# Altium PCB IntelligentCarFor51PcbDoc.PcbDoc (part 7 of 14)
Units mil, origin at the board's own origin, x right, y up, seen from the top; angles counter-clockwise.
Board outline 2298.05 x 2090.03 mil, 2 copper layers (Top Layer, Bottom Layer); 55 components, 66 nets, 258 pads, 143 vias.
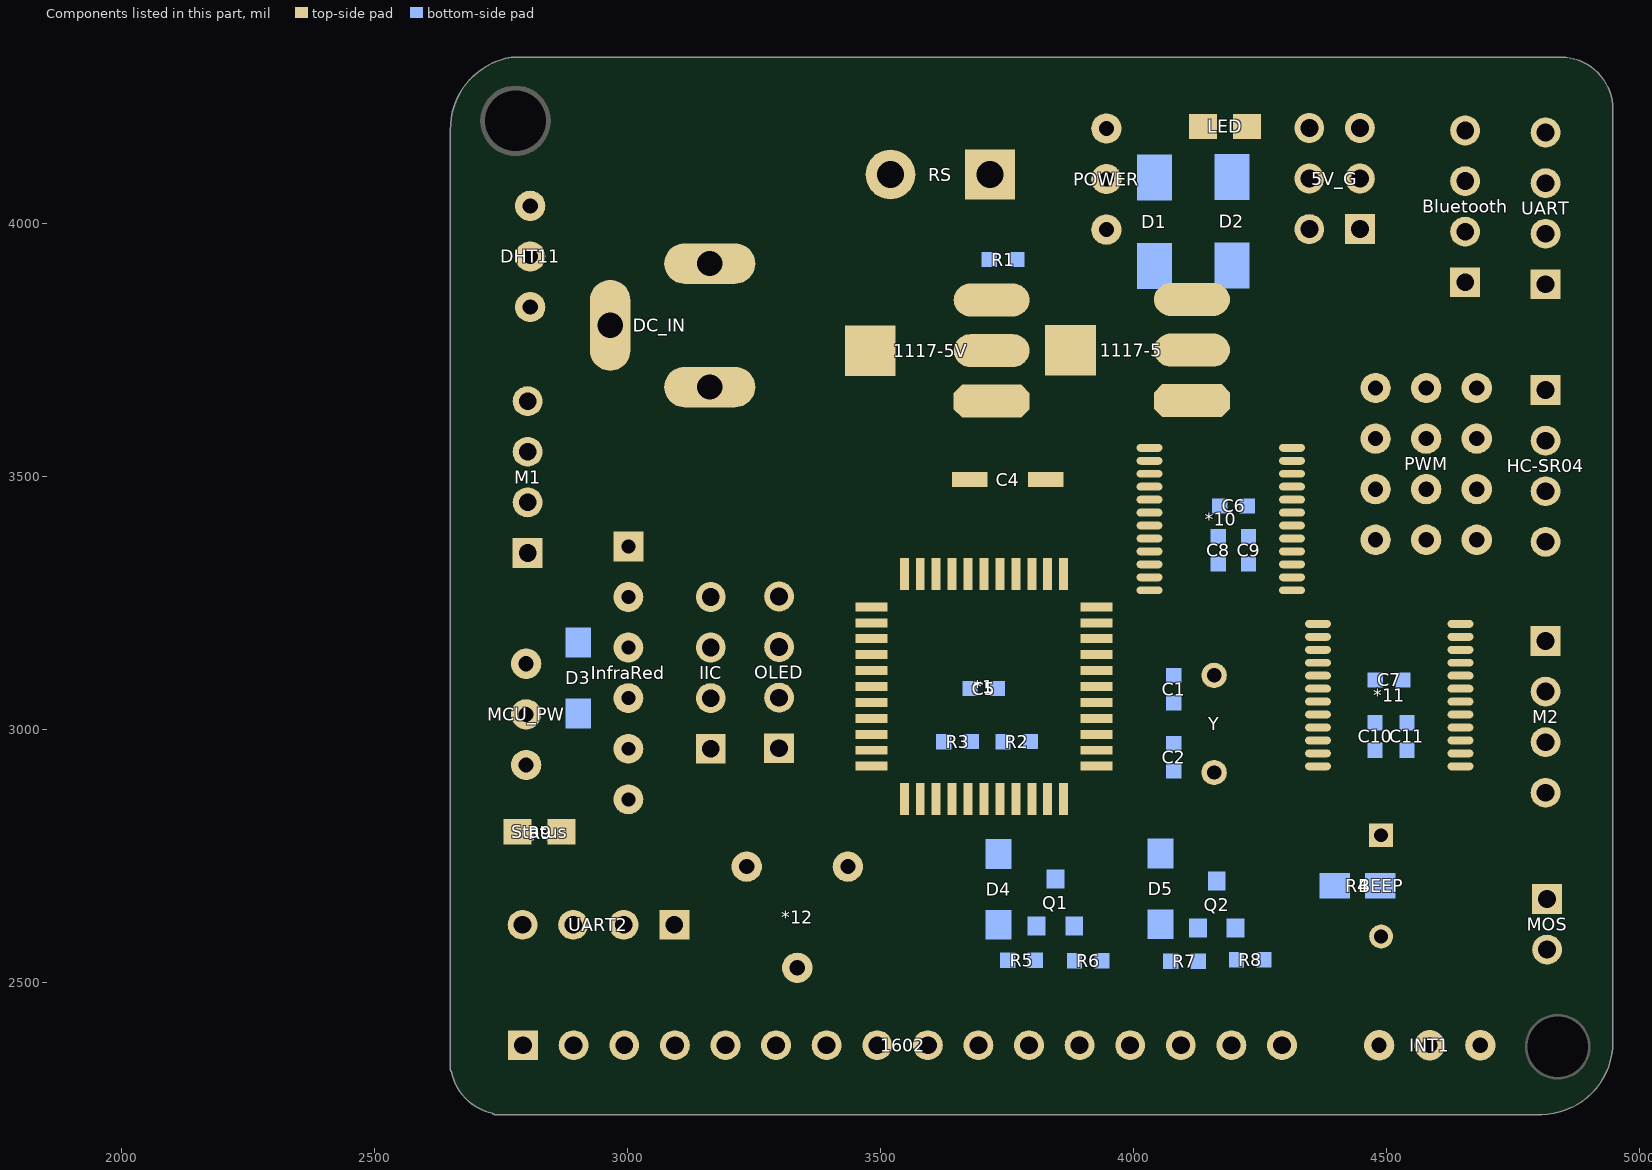
[diagram p7: the components of this part, seen from the top]

## Via types
v1: diameter 12, hole 8, Top Layer to Bottom Layer, 53 vias
v2: diameter 10, hole 7, Top Layer to Bottom Layer, 20 vias
v3: diameter 20, hole 12, Top Layer to Bottom Layer, 15 vias
v4: diameter 35, hole 25, Top Layer to Bottom Layer, 13 vias
v5: diameter 15, hole 10, Top Layer to Bottom Layer, 10 vias
v6: diameter 18, hole 12, Top Layer to Bottom Layer, 10 vias
v7: diameter 50, hole 35, Top Layer to Bottom Layer, 7 vias
v8: diameter 30, hole 20, Top Layer to Bottom Layer, 5 vias
v9: diameter 12, hole 7, Top Layer to Bottom Layer, 3 vias
v10: diameter 25, hole 18, Top Layer to Bottom Layer, 2 vias
v11: diameter 40, hole 30, Top Layer to Bottom Layer, 2 vias
v12: diameter 8, hole 7, Top Layer to Bottom Layer, 1 vias
v13: diameter 30, hole 22, Top Layer to Bottom Layer, 1 vias
v14: diameter 24, hole 18, Top Layer to Bottom Layer, 1 vias

## Nets (pads, with @x,y where several pads share a name; then routed paths per layer and width w, separated by ;. In a path a pad name is that pad's centre, name@x,y a point inside that pad or via, vN(x,y) a via of type N, cw(c..) or ccw(c..) an arc to the next point about the centre after c; other vN are vias at no path point) (continued)
copper on no net: (continued)
  Top Layer w0.3: 2332.1,3715.3 2342.3,3715.3 ; 2332.1,3739.3 2338.1,3739.3 ; 2332.4,3714.4 2342.3,3714.4 ; 2332.4,3714.7 2342.3,3714.7 ; 2332.7,3661 2333.9,3661 ; 2332.7,3661.3 2333.9,3661.3 ; 2332.7,3661.6 2333.9,3661.6 ; 2332.7,3661.9 2333.9,3661.9 ; 2332.7,3662.2 2333.9,3662.2 ; 2332.7,3662.5 2333.9,3662.5 ; 2332.7,3662.8 2333.9,3662.8 ; 2332.7,3663.1 2333.9,3663.1 ; 2332.7,3663.4 2333.9,3663.4 ; 2332.7,3663.7 2333.9,3663.7 ; 2332.7,3714.1 2342.3,3714.1 ; 2333,3658.3 2334.5,3658.3 ; 2333,3658.6 2334.2,3658.6 ; 2333,3658.9 2334.2,3658.9 ; 2333,3659.2 2334.2,3659.2 ; 2333,3659.5 2334.2,3659.5 ; 2333,3659.8 2334.2,3659.8 ; 2333,3660.1 2334.2,3660.1 ; 2333,3660.4 2333.9,3660.4 ; 2333,3660.7 2333.9,3660.7 ; 2333,3664 2333.9,3664 ; 2333,3664.3 2333.9,3664.3 ; 2333,3664.6 2333.9,3664.6 ; 2333,3664.9 2334.2,3664.9 ; 2333,3665.2 2334.2,3665.2 ; 2333,3665.5 2334.2,3665.5 ; 2333,3665.8 2334.2,3665.8 ; 2333,3666.1 2334.2,3666.1 ; 2333,3666.4 2334.2,3666.4 ; 2333,3666.7 2334.2,3666.7 ; 2333,3691 2363.3,3691 ; 2333,3713.5 2342.3,3713.5 ; 2333,3713.8 2342.3,3713.8 ; 2333.3,3657.1 2334.8,3657.1 ; 2333.3,3657.4 2334.8,3657.4 ; 2333.3,3657.7 2334.5,3657.7 ; 2333.3,3658 2334.5,3658 ; 2333.3,3667 2334.5,3667 ; 2333.3,3667.3 2334.5,3667.3 ; 2333.3,3667.6 2334.5,3667.6 ; 2333.3,3667.9 2334.5,3667.9 ; 2333.3,3668.2 2334.5,3668.2 ; 2333.3,3668.5 2334.8,3668.5 ; 2333.3,3712.9 2342.3,3712.9 ; 2333.3,3713.2 2342.3,3713.2 ; 2333.3,3739 2338.1,3739 ; 2333.6,3656.2 2335.1,3656.2 ; 2333.6,3656.5 2335.1,3656.5 ; 2333.6,3656.8 2334.8,3656.8 ; 2333.6,3668.8 2334.8,3668.8 ; 2333.6,3669.1 2334.8,3669.1 ; 2333.6,3669.4 2334.8,3669.4 ; 2333.6,3669.7 2335.1,3669.7 ; 2333.6,3670 2335.1,3670 ; 2333.6,3712.6 2342.3,3712.6 ; 2333.9,3655.6 2335.7,3655.6 ; 2333.9,3655.9 2335.4,3655.9 ; 2333.9,3670.3 2335.1,3670.3 ; 2333.9,3670.6 2335.4,3670.6 ; 2333.9,3670.9 2335.4,3670.9 ; 2333.9,3712 2342.3,3712 ; 2333.9,3712.3 2342.3,3712.3 ; 2334.2,3655 2339.3,3655 ; 2334.2,3655.3 2336.3,3655.3 ; 2334.2,3671.2 2335.4,3671.2 ; 2334.2,3671.5 2335.7,3671.5 ; 2334.2,3671.8 2335.7,3671.8 ; 2334.2,3698.8 2343.5,3698.8 ; 2334.2,3711.4 2342.3,3711.4 ; 2334.2,3711.7 2342.3,3711.7 ; 2334.2,3726.1 2342.6,3726.1 ; 2334.5,3654.7 2339,3654.7 ; 2334.5,3672.1 2336,3672.1 ; 2334.5,3672.4 2336.3,3672.4 ; 2334.5,3672.7 2336.3,3672.7 ; 2334.5,3709.9 2342.9,3709.9 ; 2334.5,3710.2 2342.6,3710.2 ; 2334.5,3710.5 2342.6,3710.5 ; 2334.5,3710.8 2342.6,3710.8 ; 2334.5,3711.1 2342.6,3711.1 ; 2334.5,3725.8 2342.3,3725.8 ; 2334.5,3738.7 2338.1,3738.7 ; 2334.8,3654.4 2338.7,3654.4 ; 2334.8,3673 2336.6,3673 ; 2334.8,3673.3 2336.9,3673.3 ; 2334.8,3706.9 2346.5,3706.9 ; 2334.8,3707.2 2345.6,3707.2 ; 2334.8,3707.5 2345,3707.5 ; 2334.8,3707.8 2344.4,3707.8 ; 2334.8,3708.1 2344.1,3708.1 ; 2334.8,3708.4 2343.8,3708.4 ; 2334.8,3708.7 2343.5,3708.7 ; 2334.8,3709 2343.2,3709 ; 2334.8,3709.3 2342.9,3709.3 ; 2334.8,3709.6 2342.9,3709.6 ; 2334.8,3722.2 2342.3,3722.2 ; 2334.8,3722.5 2342.3,3722.5 ; 2334.8,3722.8 2342.3,3722.8 ; 2334.8,3723.1 2342.3,3723.1 ; 2334.8,3723.4 2342.3,3723.4 ; 2334.8,3723.7 2342.3,3723.7 ; 2334.8,3724 2342.3,3724 ; 2334.8,3724.3 2342.3,3724.3 ; 2334.8,3724.6 2342.3,3724.6 ; 2334.8,3724.9 2342.3,3724.9 ; 2334.8,3725.2 2342.3,3725.2 ; 2334.8,3725.5 2342.3,3725.5 ; 2335.1,3654.1 2338.4,3654.1 ; 2335.1,3673.6 2337.5,3673.6 ; 2335.1,3699.1 2342.9,3699.1 ; 2335.1,3699.4 2342.6,3699.4 ; 2335.1,3702.1 2355.5,3702.1 ; 2335.1,3702.4 2355.5,3702.4 ; 2335.1,3702.7 2355.5,3702.7 ; 2335.1,3703 2355.5,3703 ; 2335.1,3703.3 2355.5,3703.3 ; 2335.1,3703.6 2355.5,3703.6 ; 2335.1,3703.9 2355.5,3703.9 ; 2335.1,3704.2 2355.5,3704.2 ; 2335.1,3704.5 2355.5,3704.5 ; 2335.1,3704.8 2355.5,3704.8 ; 2335.1,3705.1 2355.5,3705.1 ; 2335.1,3705.4 2355.2,3705.4 ; 2335.1,3705.7 2355.2,3705.7 ; 2335.1,3706 2354.9,3706 ; 2335.1,3706.3 2354,3706.3 ; 2335.1,3706.6 2348.3,3706.6 ; 2335.4,3673.9 2339.9,3673.9 ; 2335.4,3699.7 2342.3,3699.7 ; 2335.4,3700 2342.3,3700 ; 2335.4,3700.3 2342.3,3700.3 ; 2335.4,3700.6 2342.3,3700.6 ; 2335.4,3700.9 2342.6,3700.9 ; 2335.4,3701.2 2355.8,3701.2 ; 2335.4,3701.5 2355.5,3701.5 ; 2335.4,3701.8 2355.5,3701.8 ; 2335.4,3738.4 2338.1,3738.4 ; 2335.7,3653.8 2337.5,3653.8 ; 2335.7,3674.2 2339.6,3674.2 ; 2336,3674.5 2339.3,3674.5 ; 2336.3,3674.8 2338.7,3674.8 ; 2336.3,3738.1 2338.1,3738.1 ; 2336.6,3737.2 2338.1,3737.2 ; 2336.6,3737.5 2338.1,3737.5 ; 2336.6,3737.8 2338.1,3737.8 ; 2337.8,3655.3 2339.6,3655.3 ; 2338.1,3655.6 2339.6,3655.6 ; 2338.4,3648.4 2341.4,3648.4 ; 2338.4,3655.9 2339.9,3655.9 ; 2338.4,3673.6 2340.2,3673.6 ; 2338.4,3679.9 2348.6,3679.9 ; 2338.4,3736.6 2346.5,3736.6 ; 2338.4,3739.9 2351,3739.9 ; 2338.7,3656.2 2340.2,3656.2 ; 2338.7,3736.9 2346.5,3736.9 ; 2338.7,3737.2 2346.5,3737.2 ; 2338.7,3737.5 2346.5,3737.5 ; 2338.7,3737.8 2346.5,3737.8 ; 2338.7,3738.1 2347.1,3738.1 ; 2338.7,3738.4 2353.1,3738.4 ; 2338.7,3738.7 2353.1,3738.7 ; 2338.7,3739 2352.5,3739 ; 2338.7,3739.3 2351.9,3739.3 ; 2338.7,3739.6 2351.3,3739.6 ; 2339,3648.7 2341.7,3648.7 ; 2339,3656.5 2340.2,3656.5 ; 2339,3656.8 2340.5,3656.8 ; 2339,3673.3 2340.2,3673.3 ; 2339.3,3657.1 2340.5,3657.1 ; 2339.3,3657.4 2340.5,3657.4 ; 2339.3,3673 2340.5,3673 ; 2339.3,3679.6 2348.3,3679.6 ; 2339.6,3649 2342,3649 ; 2339.6,3657.7 2340.8,3657.7 ; 2339.6,3658 2340.8,3658 ; 2339.6,3658.3 2340.8,3658.3 ; 2339.6,3658.6 2341.1,3658.6 ; 2339.6,3672.4 2340.8,3672.4 ; 2339.6,3672.7 2340.5,3672.7 ; 2339.9,3649.3 2342,3649.3 ; 2339.9,3658.9 2341.1,3658.9 ; 2339.9,3659.2 2341.1,3659.2 ; 2339.9,3659.5 2341.1,3659.5 ; 2339.9,3671.8 2341.1,3671.8 ; 2339.9,3672.1 2340.8,3672.1 ; 2339.9,3679.3 2348.3,3679.3 ; 2339.9,3691.3 2363.6,3691.3 ; 2340.2,3649.6 2342.3,3649.6 ; 2340.2,3659.8 2341.4,3659.8 ; 2340.2,3660.1 2341.4,3660.1 ; 2340.2,3660.4 2341.4,3660.4 ; 2340.2,3660.7 2341.4,3660.7 ; 2340.2,3661 2341.4,3661 ; 2340.2,3670.6 2341.4,3670.6 ; 2340.2,3670.9 2341.4,3670.9 ; 2340.2,3671.2 2341.1,3671.2 ; 2340.2,3671.5 2341.1,3671.5 ; 2340.2,3679 2348,3679 ; 2340.5,3649.9 2342.6,3649.9 ; 2340.5,3661.3 2341.7,3661.3 ; 2340.5,3661.6 2341.7,3661.6 ; 2340.5,3661.9 2341.7,3661.9 ; 2340.5,3662.2 2341.7,3662.2 ; 2340.5,3662.5 2341.7,3662.5 ; 2340.5,3662.8 2341.7,3662.8 ; 2340.5,3663.1 2341.7,3663.1 ; 2340.5,3663.4 2341.7,3663.4 ; 2340.5,3668.8 2341.7,3668.8 ; 2340.5,3669.1 2341.7,3669.1 ; 2340.5,3669.4 2341.7,3669.4 ; 2340.5,3669.7 2341.4,3669.7 ; 2340.5,3670 2341.4,3670 ; 2340.5,3670.3 2341.4,3670.3 ; 2340.5,3678.7 2348,3678.7 ; 2340.8,3650.2 2342.9,3650.2 ; 2340.8,3663.7 2341.7,3663.7 ; 2340.8,3664 2341.7,3664 ; 2340.8,3664.3 2341.7,3664.3 ; 2340.8,3664.6 2342,3664.6 ; 2340.8,3664.9 2342,3664.9 ; 2340.8,3665.2 2342,3665.2 ; 2340.8,3665.5 2342,3665.5 ; 2340.8,3665.8 2342,3665.8 ; 2340.8,3666.1 2342,3666.1 ; 2340.8,3666.4 2342,3666.4 ; 2340.8,3666.7 2342,3666.7 ; 2340.8,3667 2341.7,3667 ; 2340.8,3667.3 2341.7,3667.3 ; 2340.8,3667.6 2341.7,3667.6 ; 2340.8,3667.9 2341.7,3667.9 ; 2340.8,3668.2 2341.7,3668.2 ; 2340.8,3668.5 2341.7,3668.5 ; 2340.8,3678.4 2347.7,3678.4 ; 2341.1,3650.5 2343.2,3650.5 ; 2341.1,3678.1 2347.7,3678.1 ; 2341.4,3650.8 2352.8,3650.8 ; 2341.4,3651.1 2353.4,3651.1 ; 2341.4,3677.8 2347.4,3677.8 ; 2341.7,3651.4 2354,3651.4 ; 2341.7,3677.5 2347.4,3677.5 ; 2342,3651.7 2354.6,3651.7 ; 2342,3652 2355.2,3652 ; 2342,3652.3 2355.8,3652.3 ; 2342,3676.9 2347.4,3676.9 ; 2342,3677.2 2347.4,3677.2 ; 2342.3,3652.6 2356.1,3652.6 ; 2342.3,3652.9 2356.7,3652.9 ; 2342.3,3676.6 2347.1,3676.6 ; 2342.6,3653.2 2357,3653.2 ; 2342.6,3653.5 2352.5,3653.5 ; 2342.6,3675.7 2347.1,3675.7 ; 2342.6,3676 2347.1,3676 ; 2342.6,3676.3 2347.1,3676.3 ; 2342.9,3653.8 2351.9,3653.8 ; 2342.9,3654.1 2351.6,3654.1 ; 2342.9,3654.4 2351,3654.4 ; 2342.9,3654.7 2351,3654.7 ; 2342.9,3675.1 2346.8,3675.1 ; 2342.9,3675.4 2346.8,3675.4 ; 2343.2,3655 2350.7,3655 ; 2343.2,3655.3 2350.4,3655.3 ; 2343.2,3655.6 2350.1,3655.6 ; 2343.2,3655.9 2350.1,3655.9 ; 2343.2,3674.2 2346.8,3674.2 ; 2343.2,3674.5 2346.8,3674.5 ; 2343.2,3674.8 2346.8,3674.8 ; 2343.2,3700.9 2355.8,3700.9 ; 2343.5,3656.2 2349.8,3656.2 ; 2343.5,3656.5 2349.8,3656.5 ; 2343.5,3656.8 2349.5,3656.8 ; 2343.5,3657.1 2349.5,3657.1 ; 2343.5,3657.4 2349.2,3657.4 ; 2343.5,3673 2346.8,3673 ; 2343.5,3673.3 2346.8,3673.3 ; 2343.5,3673.6 2346.8,3673.6 ; 2343.5,3673.9 2346.8,3673.9 ; 2343.5,3700.6 2355.8,3700.6 ; 2343.8,3657.7 2349.2,3657.7 ; 2343.8,3658 2349.2,3658 ; 2343.8,3658.3 2348.9,3658.3 ; 2343.8,3658.6 2348.9,3658.6 ; 2343.8,3658.9 2348.9,3658.9 ; 2343.8,3659.2 2348.6,3659.2 ; 2343.8,3659.5 2348.6,3659.5 ; 2343.8,3671.2 2347.1,3671.2 ; 2343.8,3671.5 2347.1,3671.5 ; 2343.8,3671.8 2347.1,3671.8 ; 2343.8,3672.1 2347.1,3672.1 ; 2343.8,3672.4 2346.8,3672.4 ; 2343.8,3672.7 2346.8,3672.7 ; 2343.8,3698.8 2374.4,3698.8 ; 2343.8,3700.3 2356.1,3700.3 ; 2344.1,3659.8 2348.6,3659.8 ; 2344.1,3660.1 2348.6,3660.1 ; 2344.1,3660.4 2348.3,3660.4 ; 2344.1,3660.7 2348.3,3660.7 ; 2344.1,3661 2348.3,3661 ; 2344.1,3661.3 2348.3,3661.3 ; 2344.1,3661.6 2348,3661.6 ; 2344.1,3661.9 2348,3661.9 ; 2344.1,3662.2 2348,3662.2 ; 2344.1,3662.5 2348,3662.5 ; 2344.1,3662.8 2348,3662.8 ; 2344.1,3663.1 2347.7,3663.1 ; 2344.1,3663.4 2347.7,3663.4 ; 2344.1,3667.3 2347.4,3667.3 ; 2344.1,3667.6 2347.4,3667.6 ; 2344.1,3667.9 2347.1,3667.9 ; 2344.1,3668.2 2347.1,3668.2 ; 2344.1,3668.5 2347.1,3668.5 ; 2344.1,3668.8 2347.1,3668.8 ; 2344.1,3669.1 2347.1,3669.1 ; 2344.1,3669.4 2347.1,3669.4 ; 2344.1,3669.7 2347.1,3669.7 ; 2344.1,3670 2347.1,3670 ; 2344.1,3670.3 2347.1,3670.3 ; 2344.1,3670.6 2347.1,3670.6 ; 2344.1,3670.9 2347.1,3670.9 ; 2344.1,3699.7 2357.9,3699.7 ; 2344.1,3700 2356.7,3700 ; 2344.4,3650.5 2352.2,3650.5 ; 2344.4,3663.7 2347.7,3663.7 ; 2344.4,3664 2347.7,3664 ; 2344.4,3664.3 2347.7,3664.3 ; 2344.4,3664.6 2347.7,3664.6 ; 2344.4,3664.9 2347.7,3664.9 ; 2344.4,3665.2 2347.7,3665.2 ; 2344.4,3665.5 2347.4,3665.5 ; 2344.4,3665.8 2347.4,3665.8 ; 2344.4,3666.1 2347.4,3666.1 ; 2344.4,3666.4 2347.4,3666.4 ; 2344.4,3666.7 2347.4,3666.7 ; 2344.4,3667 2347.4,3667 ; 2344.4,3699.1 2373.5,3699.1 ; 2344.4,3699.4 2371.7,3699.4 ; 2345.6,3691.6 2364.5,3691.6 ; 2345.9,3650.2 2351.3,3650.2 ; 2348,3649.9 2349.5,3649.9 ; 2348.9,3738.1 2353.4,3738.1 ; 2350.1,3666.1 2351.3,3666.1 ; 2350.1,3666.4 2351.3,3666.4 ; 2350.1,3666.7 2351.3,3666.7 ; 2350.1,3667 2351.3,3667 ; 2350.1,3667.3 2351.3,3667.3 ; 2350.1,3667.6 2351.3,3667.6 ; 2350.1,3667.9 2351.3,3667.9 ; 2350.1,3668.2 2351.3,3668.2 ; 2350.1,3668.5 2351.3,3668.5 ; 2350.1,3668.8 2351.3,3668.8 ; 2350.1,3669.1 2351.3,3669.1 ; 2350.1,3669.4 2351.3,3669.4 ; 2350.1,3669.7 2351.3,3669.7 ; 2350.1,3670 2351.3,3670 ; 2350.1,3670.3 2351.3,3670.3 ; 2350.1,3670.6 2351.3,3670.6 ; 2350.1,3670.9 2351.6,3670.9 ; 2350.1,3671.2 2351.6,3671.2 ; 2350.1,3671.5 2351.6,3671.5 ; 2350.1,3671.8 2351.6,3671.8 ; 2350.4,3664.3 2351.6,3664.3 ; 2350.4,3664.6 2351.6,3664.6 ; 2350.4,3664.9 2351.6,3664.9 ; 2350.4,3665.2 2351.6,3665.2 ; 2350.4,3665.5 2351.6,3665.5 ; 2350.4,3665.8 2351.3,3665.8 ; 2350.4,3672.1 2351.6,3672.1 ; 2350.4,3672.4 2351.6,3672.4 ; 2350.4,3672.7 2351.6,3672.7 ; 2350.4,3673 2351.9,3673 ; 2350.4,3673.3 2351.9,3673.3 ; 2350.4,3673.6 2351.9,3673.6 ; 2350.7,3663.1 2351.9,3663.1 ; 2350.7,3663.4 2351.9,3663.4 ; 2350.7,3663.7 2351.9,3663.7 ; 2350.7,3664 2351.6,3664 ; 2350.7,3673.9 2351.9,3673.9 ; 2350.7,3674.2 2351.9,3674.2 ; 2350.7,3674.5 2352.2,3674.5 ; 2350.7,3674.8 2352.2,3674.8 ; 2350.7,3737.8 2353.1,3737.8 ; 2351,3662.2 2352.2,3662.2 ; 2351,3662.5 2352.2,3662.5 ; 2351,3662.8 2352.2,3662.8 ; 2351,3675.1 2352.2,3675.1 ; 2351,3675.4 2352.5,3675.4 ; 2351.3,3661.6 2352.8,3661.6 ; 2351.3,3661.9 2352.5,3661.9 ; 2351.3,3675.7 2352.5,3675.7 ; 2351.3,3676 2352.5,3676 ; 2351.3,3676.3 2352.8,3676.3 ; 2351.6,3661 2353.1,3661 ; 2351.6,3661.3 2352.8,3661.3 ; 2351.6,3676.6 2352.8,3676.6 ; 2351.6,3676.9 2353.1,3676.9 ; 2351.6,3691.9 2371.4,3691.9 ; 2351.9,3660.7 2353.4,3660.7 ; 2351.9,3677.2 2353.4,3677.2 ; 2351.9,3677.5 2353.7,3677.5 ; 2352.2,3660.4 2354.3,3660.4 ; 2352.2,3677.8 2356.4,3677.8 ; 2352.2,3678.1 2356.1,3678.1 ; 2352.5,3659.8 2356.4,3659.8 ; 2352.5,3660.1 2356.7,3660.1 ; 2352.5,3678.4 2355.8,3678.4 ; 2352.8,3678.7 2355.5,3678.7 ; 2352.8,3734.8 2357.3,3734.8 ; 2353.1,3659.5 2356.1,3659.5 ; 2353.1,3679 2354.9,3679 ; 2353.4,3659.2 2355.8,3659.2 ; 2353.7,3679.3 2354.3,3679.3 ; 2354.6,3684.1 2363,3684.1 ; 2354.9,3660.4 2356.7,3660.4 ; 2354.9,3677.5 2356.7,3677.5 ; 2355.2,3653.5 2357.3,3653.5 ; 2355.2,3677.2 2356.7,3677.2 ; 2355.5,3660.7 2357,3660.7 ; 2355.5,3676.9 2357,3676.9 ; 2355.5,3683.8 2363,3683.8 ; 2355.8,3661 2357,3661 ; 2355.8,3661.3 2357.3,3661.3 ; 2355.8,3676.3 2357.3,3676.3 ; 2355.8,3676.6 2357.3,3676.6 ; 2356.1,3653.8 2357.6,3653.8 ; 2356.1,3661.6 2357.3,3661.6 ; 2356.1,3661.9 2357.6,3661.9 ; 2356.1,3662.2 2357.6,3662.2 ; 2356.1,3675.7 2357.6,3675.7 ; 2356.1,3676 2357.3,3676 ; 2356.1,3683.5 2363,3683.5 ; 2356.4,3654.1 2357.9,3654.1 ; 2356.4,3662.5 2357.6,3662.5 ; 2356.4,3662.8 2357.6,3662.8 ; 2356.4,3663.1 2357.9,3663.1 ; 2356.4,3675.1 2357.6,3675.1 ; 2356.4,3675.4 2357.6,3675.4 ; 2356.4,3683.2 2363,3683.2 ; 2356.7,3654.4 2357.9,3654.4 ; 2356.7,3663.4 2357.9,3663.4 ; 2356.7,3663.7 2357.9,3663.7 ; 2356.7,3664 2357.9,3664 ; 2356.7,3664.3 2357.9,3664.3 ; 2356.7,3664.6 2358.2,3664.6 ; 2356.7,3664.9 2358.2,3664.9 ; 2356.7,3673.6 2357.9,3673.6 ; 2356.7,3673.9 2357.9,3673.9 ; 2356.7,3674.2 2357.9,3674.2 ; 2356.7,3674.5 2357.9,3674.5 ; 2356.7,3674.8 2357.9,3674.8 ; 2356.7,3682.9 2363,3682.9 ; 2357,3654.7 2358.2,3654.7 ; 2357,3665.2 2358.2,3665.2 ; 2357,3665.5 2358.2,3665.5 ; 2357,3665.8 2358.2,3665.8 ; 2357,3666.1 2358.2,3666.1 ; 2357,3666.4 2358.2,3666.4 ; 2357,3666.7 2358.2,3666.7 ; 2357,3667 2358.2,3667 ; 2357,3667.3 2358.5,3667.3 ; 2357,3667.6 2358.5,3667.6 ; 2357,3667.9 2358.5,3667.9 ; 2357,3668.2 2358.5,3668.2 ; 2357,3668.5 2358.5,3668.5 ; 2357,3668.8 2358.5,3668.8 ; 2357,3669.1 2358.5,3669.1 ; 2357,3669.4 2358.5,3669.4 ; 2357,3669.7 2358.5,3669.7 ; 2357,3670 2358.5,3670 ; 2357,3670.3 2358.5,3670.3 ; 2357,3670.6 2358.5,3670.6 ; 2357,3670.9 2358.5,3670.9 ; 2357,3671.2 2358.2,3671.2 ; 2357,3671.5 2358.2,3671.5 ; 2357,3671.8 2358.2,3671.8 ; 2357,3672.1 2358.2,3672.1 ; 2357,3672.4 2358.2,3672.4 ; 2357,3672.7 2358.2,3672.7 ; 2357,3673 2358.2,3673 ; 2357,3673.3 2358.2,3673.3 ; 2357,3682.6 2363,3682.6 ; 2357,3692.2 2373.2,3692.2 ; 2357.3,3655 2358.5,3655 ; 2357.3,3682.3 2363,3682.3 ; 2357.6,3655.3 2358.5,3655.3 ; 2357.6,3682 2363,3682 ; 2357.9,3655.6 2358.8,3655.6 ; 2357.9,3681.4 2363,3681.4 ; 2357.9,3681.7 2363,3681.7 ; 2358.2,3655.9 2358.8,3655.9 ; 2358.2,3656.2 2359.1,3656.2 ; 2358.2,3681.1 2363,3681.1 ; 2358.5,3656.5 2359.1,3656.5 ; 2358.5,3656.8 2359.4,3656.8 ; 2358.5,3680.5 2363,3680.5 ; 2358.5,3680.8 2363,3680.8 ; 2358.8,3657.1 2359.4,3657.1 ; 2358.8,3657.4 2359.7,3657.4 ; 2358.8,3679.6 2363,3679.6 ; 2358.8,3679.9 2363,3679.9 ; 2358.8,3680.2 2363,3680.2 ; 2359.1,3657.7 2359.7,3657.7 ; 2359.1,3658 2360,3658 ; 2359.1,3658.3 2360,3658.3 ; 2359.1,3679 2363,3679 ; 2359.1,3679.3 2363,3679.3 ; 2359.4,3658.6 2360.3,3658.6 ; 2359.4,3658.9 2360.6,3658.9 ; 2359.4,3659.2 2361.5,3659.2 ; 2359.4,3678.1 2363,3678.1 ; 2359.4,3678.4 2363,3678.4 ; 2359.4,3678.7 2363,3678.7 ; 2359.7,3659.5 2363.3,3659.5 ; 2359.7,3659.8 2363.6,3659.8 ; 2359.7,3660.1 2363.9,3660.1 ; 2359.7,3676.9 2363.3,3676.9 ; 2359.7,3677.2 2363,3677.2 ; 2359.7,3677.5 2363,3677.5 ; 2359.7,3677.8 2363,3677.8 ; 2360,3660.4 2363.9,3660.4 ; 2360,3660.7 2364.2,3660.7 ; 2360,3661 2364.2,3661 ; 2360,3661.3 2364.2,3661.3 ; 2360,3661.6 2364.2,3661.6 ; 2360,3675.1 2363.3,3675.1 ; 2360,3675.4 2363.3,3675.4 ; 2360,3675.7 2363.3,3675.7 ; 2360,3676 2363.3,3676 ; 2360,3676.3 2363.3,3676.3 ; 2360,3676.6 2363.3,3676.6 ; 2360.3,3661.9 2363.9,3661.9 ; 2360.3,3662.2 2363.9,3662.2 ; 2360.3,3662.5 2363.9,3662.5 ; 2360.3,3662.8 2363.9,3662.8 ; 2360.3,3663.1 2363.9,3663.1 ; 2360.3,3663.4 2363.9,3663.4 ; 2360.3,3673.3 2363.3,3673.3 ; 2360.3,3673.6 2363.3,3673.6 ; 2360.3,3673.9 2363.3,3673.9 ; 2360.3,3674.2 2363.3,3674.2 ; 2360.3,3674.5 2363.3,3674.5 ; 2360.3,3674.8 2363.3,3674.8 ; 2360.6,3663.7 2363.9,3663.7 ; 2360.6,3664 2363.9,3664 ; 2360.6,3664.3 2363.9,3664.3 ; 2360.6,3664.6 2363.9,3664.6 ; 2360.6,3664.9 2363.9,3664.9 ; 2360.6,3665.2 2363.9,3665.2 ; 2360.6,3665.5 2363.9,3665.5 ; 2360.6,3665.8 2363.6,3665.8 ; 2360.6,3666.1 2363.6,3666.1 ; 2360.6,3666.4 2363.6,3666.4 ; 2360.6,3666.7 2363.6,3666.7 ; 2360.6,3667 2363.6,3667 ; 2360.6,3667.3 2363.6,3667.3 ; 2360.6,3667.6 2363.6,3667.6 ; 2360.6,3667.9 2363.6,3667.9 ; 2360.6,3668.2 2363.6,3668.2 ; 2360.6,3668.5 2363.6,3668.5 ; 2360.6,3668.8 2363.6,3668.8 ; 2360.6,3669.1 2363.6,3669.1 ; 2360.6,3669.4 2363.6,3669.4 ; 2360.6,3669.7 2363.6,3669.7 ; 2360.6,3670 2363.6,3670 ; 2360.6,3670.3 2363.6,3670.3 ; 2360.6,3670.6 2363.6,3670.6 ; 2360.6,3670.9 2363.6,3670.9 ; 2360.6,3671.2 2363.3,3671.2 ; 2360.6,3671.5 2363.3,3671.5 ; 2360.6,3671.8 2363.3,3671.8 ; 2360.6,3672.1 2363.3,3672.1 ; 2360.6,3672.4 2363.3,3672.4 ; 2360.6,3672.7 2363.3,3672.7 ; 2360.6,3673 2363.3,3673 ; 2363,3692.5 2373.8,3692.5 ; 2370.2,3692.8 2374.1,3692.8 ; 2370.5,3698.2 2374.7,3698.2 ; 2372,3693.1 2374.1,3693.1 ; 2372.9,3693.4 2374.4,3693.4 ; 2373.2,3693.7 2374.4,3693.7 ; 2373.2,3697.9 2374.7,3697.9 ; 2373.5,3694 2374.4,3694 ; 2373.5,3694.3 2374.4,3694.3 ; 2373.5,3694.6 2374.4,3694.6 ; 2373.5,3694.9 2374.7,3694.9 ; 2373.5,3695.2 2374.7,3695.2 ; 2373.5,3695.5 2374.7,3695.5 ; 2373.5,3695.8 2374.7,3695.8 ; 2373.5,3696.1 2374.7,3696.1 ; 2373.5,3696.4 2374.7,3696.4 ; 2373.5,3696.7 2374.7,3696.7 ; 2373.5,3697 2374.7,3697 ; 2373.5,3697.3 2374.7,3697.3 ; 2373.5,3697.6 2374.7,3697.6